# Altium PCB BRG_Chip_Tester.PcbDoc (part 2 of 2)
Units mil, origin at the board's own origin, x right, y up, seen from the top; angles counter-clockwise.
Board outline 4440 x 3080 mil, 4 copper layers (TOP, GND, PWR, BOT), stack 62.731 mil thick; 127 components, 119 nets, 570 pads, 385 vias.
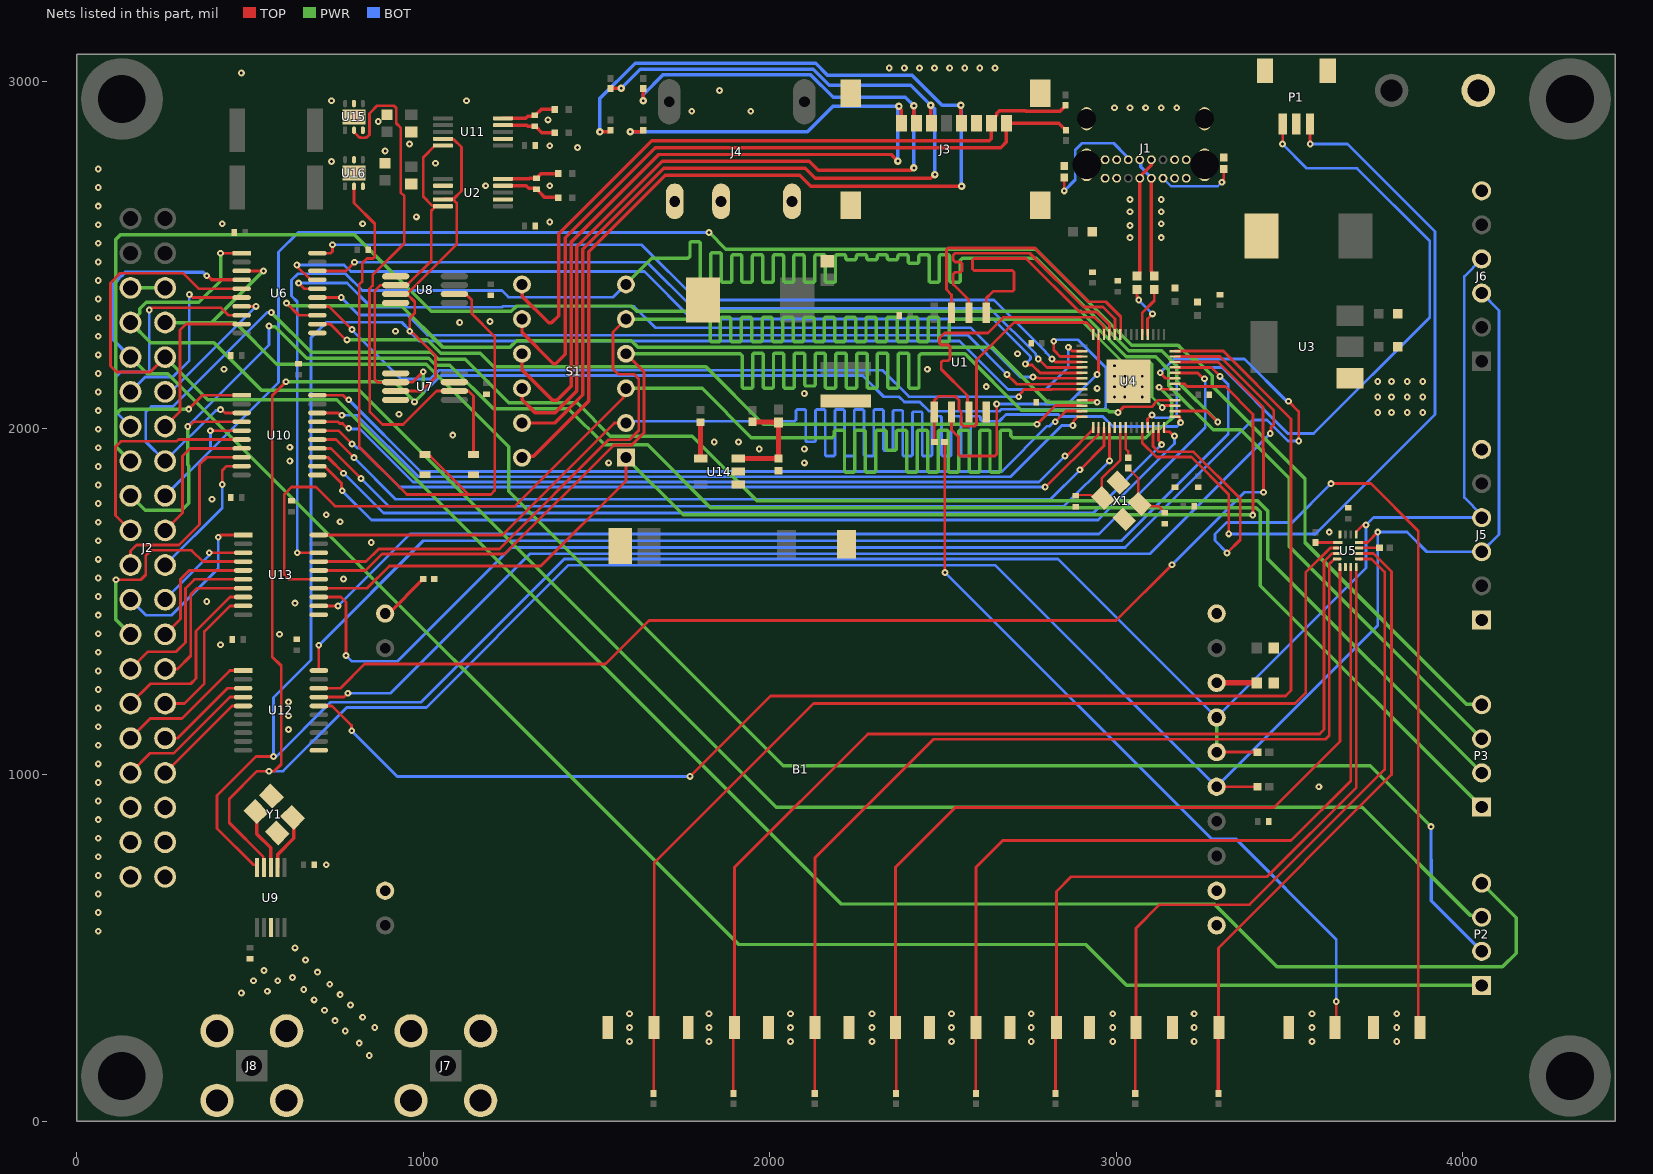
[diagram p4: the nets of this part, all layers, seen from the top]

## Via types
v1: diameter 19.68, hole 7.87, TOP to BOT, 358 vias
v2: diameter 21.65, hole 7.87, TOP to BOT, 27 vias

## Nets (pads, with @x,y where several pads share a name; then routed paths per layer and width w, separated by ;. In a path a pad name is that pad's centre, name@x,y a point inside that pad or via, vN(x,y) a via of type N, cw(c..) or ccw(c..) an arc to the next point about the centre after c; other vN are vias at no path point) (continued)
GND: B1.1 B1.2 B1.10 B1.19 C1.1 C2.1 C3.2 C4.2 C5.1 C6.2 C7.2 C8.1 C9.1 C10.1 C11.1 C12.1 C13.1 C14.1 C15.1 C16.1 C17.1 C18.2 C19.2 C20.2 C22.1 C23.1 C24.2 C25.2 C26.2 C27.2 C28.2 C32.2 C33.2 C34.2 C35.2 C37.2 C38.2 C39.2 C40.2 C42.2 C43.1 C44.2 C45.1 C46.2 C47.2 J1.1 J1.2 J1.3 J1.4 J1.A1 J1.A12 J1.B1 J1.B12 J2.1 J2.2 J2.3 J2.4 J2.5 J2.6 J2.35 J2.36 J3.6 J3.9 J3.10 J3.11 J3.12 J4.B J4.C J5.1 J5.6 J6.6 J7.2 J7.3 J7.4 J7.5 J8.2 J8.3 J8.4 J8.5 J10.1 P1.2 P1.MP1 P1.MP2 R3.1 R4.1 R5.1 R35.1 R36.1 R37.1 SW1.1 SW2.2 SW3.1 SW4.1 SW5.1 SW6.1 SW7.1 SW8.1 SW9.1 SW10.1 U1.4 U2.2 U2.7 U3.1 U4.19 U4.57 U5.6 U5.16 U6.11 U7.1 U7.4 U7.7 U8.1 U8.4 U9.8 U10.11 U11.7 U12.11 U13.11 U14.2 U15.3 U15.5 U15.7 U16.3 U16.5 U16.7 X1.2 X1.4 Y1.2 Y1.4 | length 100
  PWR w10: J2.36@155,2405 J2.35@255,2405
  other v1: 844.26,189.4 815,225 1595,230 1825,230 2060,230 2295,230 2525,230 2755,230 2990,230 3225,230 3565,230 3810,230 775,260 860,270 1595,270 1825,270 2060,270 2295,270 2525,270 2755,270 2990,270 3225,270 3565,270 3810,270 745,290 825,300 1595,310 1825,310 2060,310 2295,310 2525,310 2755,310 2990,310 3225,310 3565,310 3810,310 715,320 790,335 685,350 760,365 475,370 550,375 655,380 730,395 510,405 580,405 622.31,414.52 695,430 540,435 660,465 630,500 62.08,548.24 62.08,601.9 62.08,655.56 62.08,709.22 720,740 62.08,762.88 62.08,816.54 62.08,870.19 62.08,923.85 3585,965 62.08,977.51 62.08,1031.17 62.08,1084.83 610.84,1130 62.08,1138.49 610.84,1170 62.08,1192.15 610.84,1210 62.08,1245.8 62.08,1299.46 62.08,1353.12 415,1375 585,1405 62.08,1406.78 62.08,1460.44 630,1495 375,1500 62.08,1514.1 770,1565 62.08,1567.75 62.08,1621.41 850,1670 62.08,1675.07 3615,1700 62.08,1728.73 760,1730 720,1750 62.08,1782.39 390,1795 62.08,1836.05 62.08,1889.71 1535,1900 2100,1900 615,1905 1970,1940 2100,1940 62.08,1943.36 615,1945 1840,1960 1910,1960 1085,1980 62.08,1997.02 930,2040 3755,2045 3795,2045 3840,2045 3885,2045 62.08,2050.68 2995,2090 3025,2090 3075,2090 3755,2090 3795,2090 3840,2090 3885,2090 2100,2100 62.08,2104.34 2945,2115 2625,2120 2995,2120 3025,2120 3075,2120 3755,2135 3795,2135 3840,2135 3885,2135 2995,2150 3025,2150 3075,2150 62.08,2158 425,2170 2455,2170 2995,2180 62.08,2211.66 2715,2215 62.08,2265.32 920,2280 1105,2305 1192.74,2307.74 62.08,2318.97 62.08,2372.63 62.08,2426.29 62.08,2479.95 62.08,2533.61 3040,2550 3130,2550 3040,2585 62.08,2587.27 420,2590 825,2590 3130,2590 1365,2595 980,2610 3040,2625 3130,2625 62.08,2640.92 3040,2660 3130,2660 62.08,2694.58 1180,2700 1365,2700 62.08,2748.24 1035,2765 735,2770 890,2800 1445,2810 1365,2815 960,2820 870,2885 1360,2890 1775,2915 1945,2915 2995,2925 3040,2925 3085,2925 3130,2925 3175,2925 735,2945 1125,2945 1855,2975 475,3025 2345,3040 2388.57,3040 2432.14,3040 2475.71,3040 2519.29,3040 2562.86,3040 2606.43,3040 2650,3040
GPIO_2/SPI_0_SCK: U4.4 U6.20 | length 2369.8
  TOP w8: U6.20@694.27,2505.16 732.95,2505.16 737.64,2509.84 737.64,2528.96 v1(737.96,2529.28) ; v1(2815,2200) 2823.88,2191.12 U4.4@2901.63,2191.12
  BOT w8: v1(737.96,2529.28) 1630.72,2529.28 1790,2370 2647.06,2370 2796.9,2220.16 2796.9,2218.1 v1(2815,2200)
GPIO_2/SPI_0_SCK_OUT: J2.34 P2.3 U6.1 | length 5068.9
  TOP w8: v1(415,2505) 415.08,2505.08 475.65,2505.08 U6.1@475.73,2505.16
  PWR w10: v1(415,2505) 415,2425.5 352.5,2363 199.91,2363 181.91,2345 181.91,2331.91 J2.34@155,2305 213,2247 396,2247 533,2110 815,2110 2019,906 3710,906 4021.19,594.81 4048.62,594.81 P2.3@4055,588.42
GPIO_3/SPI_0_MOSI: U4.5 U6.18 | length 2347.6
  TOP w8: U6.18@694.27,2453.98 776.48,2453.98 v1(801.6,2479.1) ; v1(2775,2200) 2776.14,2200 2800.77,2175.37 U4.5@2901.63,2175.37
  BOT w8: v1(801.6,2479.1) 1645.9,2479.1 1779.55,2345.45 2636.35,2345.45 2768.1,2213.7 2768.1,2210.06 2775,2203.16 v1(2775,2200)
GPIO_3/SPI_0_MOSI_OUT: J2.33 P2.2 U6.3 | length 5026.4
  TOP w8: U6.3@475.73,2453.98 v1(538.87,2453.98)
  PWR w10: J2.33@255,2305 389.89,2305 ; v1(538.87,2453.98) 389.89,2305 ; v1(3909,850) 3733,1026 2039,1026 1247,1818 1247,1946.83 1008.83,2185 577.37,2185 457.37,2305 389.89,2305
  BOT w8: 3909,754.15 v1(3909,850)
  BOT w10: 3909,754.15 3909,636 P2.2@4055,490
GPIO_4/SPI_0_MISO: U4.6 U6.17 | length 2509.2
  TOP w8: v1(635.16,2471.35) 637.39,2469.11 637.39,2465.29 672.53,2430.16 692.5,2430.16 U6.17@694.27,2428.39 ; v1(2737.83,2185) 2740.06,2182.76 2757.6,2182.76 2780.74,2159.62 U4.6@2901.63,2159.62
  BOT w8: v1(635.16,2471.35) 771.65,2471.35 791,2452 1638,2452 1775,2315 2645,2315 2753.1,2206.9 2753.1,2200.27 v1(2737.83,2185)
GPIO_4/SPI_0_MISO_OUT: J2.32 P2.1 U6.4 | length 5311.5
  TOP w10: v1(375,2440) 378.16,2440 389.78,2428.39 U6.4@475.73,2428.39
  PWR w10: J2.32@155,2205 203,2157 263,2157 1910.28,509.72 2911.78,509.72 3029.93,391.57 P2.1@4055,391.57
  BOT w10: J2.32@155,2205 105,2255 105,2415.1 117.67,2427.77 120.38,2431.33 ; v1(375,2440) 374.3,2440 364.3,2450 139.9,2450 132.23,2442.33 128.67,2439.63 ; 120.38,2431.33 cw(c155,2405) 128.67,2439.63 ; 120.38,2431.33 cw(c155,2405) 128.67,2439.63 ; 120.38,2431.33 cw(c155,2405) 128.67,2439.63 ; 120.38,2431.33 cw(c155,2405) 128.67,2439.63
GPIO_5/SPI_0_CS: U4.7 U6.16 | length 2438
  TOP w8: v1(640.25,2418.75) 656.2,2402.8 U6.16@694.27,2402.8 ; v1(2760,2147.64) 2762.24,2145.4 2773.75,2145.4 2775.28,2143.87 U4.7@2901.63,2143.87
  BOT w8: v1(640.25,2418.75) 780.25,2418.75 849.84,2349.16 1227.75,2349.16 1230.34,2351.75 1608.25,2351.75 1670,2290 2580,2290 2582.34,2287.66 2722.18,2147.82 2759.82,2147.82 v1(2760,2147.64)
GPIO_5/SPI_0_CS_OUT: J2.31 P2.4 U6.5 | length 5720.2
  TOP w8: J2.31@255,2205 212,2162 115,2162 97,2180 97,2419 125.5,2447.5 307,2447.5 351.7,2402.8 U6.5@475.73,2402.8
  PWR w10: J2.31@255,2205 377.44,2082.56 750.5,2082.56 2206.38,626.68 3282.51,626.68 3464.19,445 4115,445 4155,485 4155,586.85 P2.4@4055,686.85
GPIO_6: U4.8 U6.15 | length 2311.6
  TOP w8: U6.15@694.27,2377.2 v1(763.31,2377.2) ; v1(2685,2155) 2713.21,2126.79 2808.15,2126.79 2809.48,2128.13 U4.8@2901.63,2128.13
  BOT w8: v1(763.31,2377.2) 813.73,2326.79 954.05,2326.79 1012.38,2268.46 2571.54,2268.46 v1(2685,2155)
GPIO_6_OUT: J2.30 U6.6 | length 552.5
  TOP w8: v1(324.8,2386) 333.59,2377.2 U6.6@475.73,2377.2
  BOT w8: J2.30@155,2105 197.5,2147.5 277,2147.5 324.8,2195.3 v1(324.8,2386)
GPIO_7: U4.9 U6.14 | length 2348.7
  TOP w8: U6.14@694.27,2351.61 727.54,2351.61 v1(794.16,2285) ; v1(2718.63,2090.94) 2718.63,2094.1 2728.67,2104.14 2728.67,2106.14 2734.33,2111.79 2814.36,2111.79 2814.94,2112.38 U4.9@2901.63,2112.38
  BOT w8: v1(794.16,2285) 794.16,2283.42 935.27,2142.32 935.38,2142.21 1019.99,2142.21 1044.79,2167 2326.14,2167 2402.2,2090.94 v1(2718.63,2090.94)
GPIO_7_OUT: J2.29 U6.7 | length 405.4
  TOP w8: U6.7@475.73,2351.61 v1(517,2351.61)
  BOT w8: J2.29@255,2105 270.39,2105 v1(517,2351.61)
GPIO_8: U4.11 U6.13 | length 2623.4
  TOP w8: v1(605.5,2361) 640.48,2326.02 U6.13@694.27,2326.02 ; U4.11@2901.63,2080.88 2935.96,2080.88 2941.84,2075 v1(2945,2075)
  PWR w10: v1(605.5,2361) 613.5,2353 937,2353 1057,2233 1249.62,2233 1269.36,2252.75 1600.64,2252.75 1620.38,2233 2643.75,2233 2801.75,2075 v1(2945,2075)
GPIO_8_OUT: J2.28 U6.8 | length 717.7
  TOP w8: v1(209,2341) 215.5,2347.5 416.52,2347.5 438,2326.02 U6.8@475.73,2326.02
  BOT w8: J2.28@155,2005 112,2048 112,2147 127.5,2162.5 205,2162.5 209,2166.5 v1(209,2341)
GPIO_9: U4.12 U6.12 | length 2349.3
  TOP w8: U6.12@694.27,2300.43 731.57,2300.43 777,2255 v1(780,2255) ; v1(2771.37,2011.5) 2825,2065.13 U4.12@2901.63,2065.13
  PWR w10: v1(780,2255) 1010.96,2255 1049.96,2216 1164.81,2216 1203.56,2177.25 1546.75,2177.25 1547,2177 1816,2177 1981.5,2011.5 v1(2771.37,2011.5)
GPIO_9_OUT: J2.27 U6.9 | length 481
  TOP w8: J2.27@255,2005 298,2048 298,2283.43 315,2300.43 U6.9@475.73,2300.43
GPIO_10/SPI_1_SCK: U4.13 U10.20 | length 2370.8
  TOP w8: U10.20@694.27,2095.16 768.68,2095.16 781.68,2082.16 v1(784.84,2082.16) ; v1(2824.32,2018.79) 2824.75,2018.79 2855.34,2049.39 U4.13@2901.63,2049.39
  BOT w8: v1(784.84,2082.16) 992,1875 2670,1875 2800.78,2005.78 2808.15,2005.78 2821.16,2018.79 v1(2824.32,2018.79)
GPIO_10/SPI_1_SCK_OUT: J2.26 P3.3 U10.1 | length 5748
  TOP w8: v1(323,2055) 363.16,2095.16 U10.1@475.73,2095.16
  PWR w10: J2.26@155,1905 113,1947 113,2040.5 ; v1(323,2055) 127.5,2055 113,2040.5 ; P3.3@4055,1103.42 3500,1658.42 3500,1855 3360,1995 3280,1995 3151,2124 3151,2169 3114,2206 3029.19,2206 2898.19,2337 1616.38,2337 1600.64,2352.75 1269.36,2352.75 1253.62,2337 1022.82,2337 800.82,2559 127,2559 113,2545 113,2040.5
GPIO_11/SPI_1_MOSI: U4.14 U10.18 | length 2361.8
  TOP w8: U10.18@694.27,2043.98 755.03,2043.98 761.84,2037.17 v1(765,2037.17) ; v1(2875,2007.81) 2877.24,2010.04 2877.24,2020.74 2890.13,2033.64 U4.14@2901.63,2033.64
  BOT w8: v1(765,2037.17) 808.61,2037.17 985.79,1860 2695,1860 2842.81,2007.81 v1(2875,2007.81)
GPIO_11/SPI_1_MOSI_OUT: J2.25 P3.2 U10.3 | length 5057.6
  TOP w8: v1(414.7,2053.52) 417.86,2053.52 427.4,2043.98 U10.3@475.73,2043.98
  PWR w10: v1(561.5,2334) 676.5,2219 1022.92,2219 1042.92,2199 1121,2199 1247,2073 1444,2073 1539.75,1977.25 1776.75,1977.25 1964,1790 3408.52,1790 3438.15,1760.37 3438.15,1621.85 P3.2@4055,1005
  BOT w8: v1(414.7,2053.52) 412.46,2051.28 401.28,2051.28 J2.25@255,1905 199,1961 199,2046.5 215,2062.5 277.5,2062.5 549,2334 v1(561.5,2334)
GPIO_12/SPI_1_MISO: U4.15 U10.17 | length 2379.4
  TOP w8: U10.17@694.27,2018.39 754.31,2018.39 758.77,2013.93 767.38,2013.93 781.31,2000 v1(785,2000) ; v1(2852.55,1920) 2857.27,1920 2933.27,1996 U4.15@2933.27,2002
  BOT w8: v1(785,2000) 787.5,1997.5 817.5,1997.5 970,1845 2777.55,1845 v1(2852.55,1920)
GPIO_12/SPI_1_MISO_OUT: J2.24 P3.1 U10.4 | length 5165.9
  TOP w8: v1(320,2005) 323.16,2005 336.55,2018.39 U10.4@475.73,2018.39
  PWR w10: J2.24@155,1805 197,1763 302.5,1763 323,1783.5 323,1891.44 320,1894.44 v1(320,2005) ; v1(555,2295) 557.24,2292.76 573.26,2292.76 664.02,2202 1015.88,2202 1035.88,2182 1076.73,2182 1202.73,2056 1419,2056 1523.25,1951.75 1568.36,1951.75 1569.36,1952.75 1600.64,1952.75 1601.64,1951.75 1648.25,1951.75 1829.16,1770.84 3403.63,1770.84 3415.84,1758.63 3415.84,1545.73 P3.1@4055,906.57
  BOT w8: v1(320,2005) 555,2240 v1(555,2295)
GPIO_13/SPI_1_CS: U4.16 U10.16 | length 2404.7
  TOP w8: U10.16@694.27,1992.8 755.81,1992.8 v1(794.44,1954.16) ; v1(2795,1830) 2796.32,1830 2948.52,1982.19 2948.52,2001.5 U4.16@2949.02,2002
  BOT w8: v1(794.44,1954.16) 797.61,1954.16 809.74,1942.03 818.86,1942.03 930.89,1830 v1(2795,1830)
GPIO_13/SPI_1_CS_OUT: J2.23 P3.4 U10.5 | length 5172.5
  TOP w8: v1(385.5,1992.8) U10.5@475.73,1992.8
  PWR w10: v1(1825,2565) 1873,2517 2768,2517 3045,2240 3178.35,2240 3220.7,2197.65 3231.24,2197.65 3277.01,2151.88 3277.01,2121.68 3545,1853.7 3545,1670 4012.44,1202.56 4054.29,1202.56 P3.4@4055,1201.85
  BOT w8: J2.23@255,1805 385.5,1935.5 ; v1(385.5,1992.8) 385.5,1935.5 ; v1(1825,2565) 639,2565 582.34,2508.34 582.34,2132.34 385.5,1935.5
GPIO_14: U4.17 U10.15 | length 2458.4
  TOP w8: U10.15@694.27,1967.2 747.8,1967.2 v1(800,1915) ; v1(2895.18,1879.82) 2964.76,1949.41 U4.17@2964.76,2002
  BOT w8: v1(800,1915) 920,1795 2810.35,1795 v1(2895.18,1879.82)
GPIO_14_OUT: J2.22 U10.6 | length 631.6
  TOP w8: J2.22@155,1705 112,1748 112,1946.5 127.5,1962 288,1962 293.2,1967.2 U10.6@475.73,1967.2
GPIO_15: U4.18 U10.14 | length 2505.7
  TOP w8: U10.14@694.27,1941.61 733.39,1941.61 v1(820,1855) ; v1(2980.51,1905.67) U4.18@2980.51,2002
  BOT w8: v1(820,1855) 900,1775 2849.84,1775 v1(2980.51,1905.67)
GPIO_15_OUT: J2.21 U10.7 | length 415.4
  TOP w8: J2.21@255,1705 305,1755 305,1920 326.61,1941.61 U10.7@475.73,1941.61
GPIO_16: U4.27 U10.13 | length 2638.7
  TOP w8: U10.13@694.27,1916.02 724.25,1916.02 v1@771.54,1868.73 ; U4.27@3122.24,2002 3122.24,1964.7 3131.24,1955.71 v1(3131.24,1952.55)
  BOT w8: v1@771.54,1868.73 885.27,1755 2933.69,1755 v1(3131.24,1952.55)
  other v1: 770,1870
GPIO_16_OUT: J2.20 U10.8 | length 574.3
  TOP w8: J2.20@155,1605 155,1645 172.5,1662.5 294.5,1662.5 354,1722 354,1895 375.02,1916.02 U10.8@475.73,1916.02
GPIO_17: U4.28 U10.12 | length 2710.8
  TOP w8: U10.12@694.27,1890.43 714.24,1890.43 763.69,1840.98 763.69,1821.66 v1(765.93,1819.42) ; U4.28@3137.99,2002 3137.99,1990.5 3138.49,1990 3153.05,1990 3165.27,1977.79 v1(3168.43,1977.79)
  BOT w8: v1(765.93,1819.42) 850.35,1735 2948.08,1735 3168.43,1955.35 v1(3168.43,1977.79)
GPIO_17_OUT: J2.19 U10.9 | length 402.5
  TOP w8: v1(419.78,1837.76) 419.78,1878.22 432,1890.43 U10.9@475.73,1890.43
  BOT w8: J2.19@255,1605 419.78,1769.78 v1(419.78,1837.76)
GPIO_18: S1.2A U4.29 U13.20 | length 4845
  TOP w8: U13.20@698.53,1691.77 1228.28,1691.77 1551.5,2015 S1.2A@1585,2015 ; U4.29@3169.63,2033.64 3181.13,2033.64 3184.06,2030.71 3184.06,2017.94 v1(3186,2016)
  BOT w8: S1.2A@1585,2015 1589.94,2019.94 2067.39,2019.94 2071.39,2019.94 2076.07,2024.62 2076.07,2051.2 2078.87,2054 2101.27,2054 2104.07,2051.2 2104.07,1963.64 2106.87,1960.84 2129.27,1960.84 2132.07,1963.64 2132.07,2051.2 2134.87,2054 2157.27,2054 2160.07,2051.2 2160.07,1922.74 2162.87,1919.94 2185.27,1919.94 2188.07,1922.74 2188.07,2051.2 2190.87,2054 2213.27,2054 2216.07,2051.2 2216.07,1922.74 2218.87,1919.94 2241.27,1919.94 2244.07,1922.74 2244.07,2051.2 2246.87,2054 2269.27,2054 2272.07,2051.2 2272.07,1922.74 2274.87,1919.94 2297.27,1919.94 2300.07,1922.74 2300.07,2051.2 2302.87,2054 2325.27,2054 2328.07,2051.2 2328.07,1938.64 2330.87,1935.84 2353.27,1935.84 2356.07,1938.64 2356.07,2048.8 2358.87,2051.6 2381.27,2051.6 2384.07,2048.8 2384.07,1922.74 2386.87,1919.94 2409.27,1919.94 2412.07,1922.74 2412.07,2044.91 2414.87,2047.71 2437.27,2047.71 2440.07,2044.91 2440.07,1922.74 2442.87,1919.94 2465.27,1919.94 2468.07,1922.74 2468.07,2031.36 2470.87,2034.16 2493.27,2034.16 2496.07,2031.36 2496.07,1922.74 2498.87,1919.94 2521.27,1919.94 2524.07,1922.74 2524.07,2031.36 2526.87,2034.16 2549.27,2034.16 2552.07,2031.36 2552.07,1922.74 2554.87,1919.94 2577.27,1919.94 2580.07,1922.74 2580.07,2031.36 2582.87,2034.16 2605.27,2034.16 2608.07,2031.36 2608.07,2024.62 2612.76,2019.94 2631,2019.94 2662.63,2019.94 2682.33,2039.64 2832.95,2039.64 2838.62,2033.97 2961.32,2033.97 2990.3,2005 3175,2005 v1(3186,2016)
GPIO_18_OUT: J2.18 U13.1 | length 492.8
  TOP w8: v1(408,1685) 414.77,1691.77 U13.1@480,1691.77
  BOT w8: J2.18@155,1505 200,1460 273.77,1460 408,1594.23 v1(408,1685)
GPIO_19: S1.6A U4.30 U13.18 | length 5516
  TOP w8: v1(636.18,1640.59) U13.18@698.53,1640.59 ; U4.30@3169.63,2049.39 3260.94,2049.39 3292.16,2018.16 v1(3293.01,2018.16)
  PWR w10: S1.6A@1585,2415 1660,2490 1764,2490 ; 1759,2490 1764,2490 ; v1(3293.01,2018.16) 3175.43,2135.74 3175.43,2179.48 3131.91,2223 3036.23,2223 2769.23,2490 2566.74,2490 2555.72,2490 2549.86,2484.14 2549.86,2423.9 2546.86,2420.9 2522.86,2420.9 2519.86,2423.9 2519.86,2497 2516.86,2500 2492.86,2500 2489.86,2497 2489.86,2423.9 2486.86,2420.9 2462.86,2420.9 2459.86,2423.9 2459.86,2497 2456.86,2500 2432.86,2500 2429.86,2497 2429.86,2479.03 2426.86,2476.03 2402.86,2476.03 2399.86,2479.03 2399.86,2497 2396.86,2500 2372.86,2500 2369.86,2497 2369.86,2489.84 2366.86,2486.84 2342.86,2486.84 2339.86,2489.84 2339.86,2497 2336.86,2500 2312.86,2500 2309.86,2497 2309.86,2489.84 2306.86,2486.84 2282.86,2486.84 2279.86,2489.84 2279.86,2497 2276.86,2500 2252.86,2500 2249.86,2497 2249.86,2489.84 2246.86,2486.84 2222.86,2486.84 2219.86,2489.84 2219.86,2497 2216.86,2500 2192.86,2500 2189.86,2497 2189.86,2423.9 2186.86,2420.9 2162.86,2420.9 2159.86,2423.9 2159.86,2497 2156.86,2500 2132.86,2500 2129.86,2497 2129.86,2423.9 2126.86,2420.9 2102.86,2420.9 2099.86,2423.9 2099.86,2497 2096.86,2500 2072.86,2500 2069.86,2497 2069.86,2423.9 2066.86,2420.9 2042.86,2420.9 2039.86,2423.9 2039.86,2497 2036.86,2500 2012.86,2500 2009.86,2497 2009.86,2423.9 2006.86,2420.9 1982.86,2420.9 1979.86,2423.9 1979.86,2497 1976.86,2500 1952.86,2500 1949.86,2497 1949.86,2423.9 1946.86,2420.9 1922.86,2420.9 1919.86,2423.9 1919.86,2497 1916.86,2500 1892.86,2500 1889.86,2497 1889.86,2423.9 1886.86,2420.9 1862.86,2420.9 1859.86,2423.9 1859.86,2503.1 1856.86,2506.1 1832.86,2506.1 1829.86,2503.1 1829.86,2423.9 1826.86,2420.9 1802.86,2420.9 1799.86,2423.9 1799.86,2535.62 1796.86,2538.62 1772.86,2538.62 1769.86,2535.62 1769.86,2495.86 1764,2490
  BOT w8: v1(636.18,1640.59) 636.18,2365.07 619.41,2381.84 619.41,2427.38 637.88,2445.85 775.65,2445.85 824.09,2397.41 1226.84,2397.41 1246,2378.25 1548.25,2378.25 S1.6A@1585,2415
GPIO_19_OUT: J2.17 U13.3 | length 286.2
  TOP w8: v1(382,1640.59) U13.3@480,1640.59
  BOT w8: J2.17@255,1505 382,1632 v1(382,1640.59)
GPIO_20: S1.5A U4.31 U13.17 | length 4805.7
  TOP w8: U13.17@698.53,1615 834.95,1615 871.45,1651.5 1219.75,1651.5 1535,1966.75 1595.53,1966.75 1622,1993.21 1622,2142.5 1608.5,2156 1562.5,2156 1548,2170.5 1548,2278 S1.5A@1585,2315 ; v1(3133,2059.84) 3136.16,2059.84 3141.45,2065.13 U4.31@3169.63,2065.13
  PWR w8: 2895,2315 3020,2190 3098.47,2190 3103.16,2185.31 3103.16,2089.68 v1(3133,2059.84)
  PWR w10: S1.5A@1585,2315 1787,2315 1822,2315 1827.86,2309.14 1827.86,2253 1830.86,2250 1854.86,2250 1857.86,2253 1857.86,2317 1860.86,2320 1884.86,2320 1887.86,2317 1887.86,2253 1890.86,2250 1914.86,2250 1917.86,2253 1917.86,2317 1920.86,2320 1944.86,2320 1947.86,2317 1947.86,2253 1950.86,2250 1974.86,2250 1977.86,2253 1977.86,2317 1980.86,2320 2004.86,2320 2007.86,2317 2007.86,2253 2010.86,2250 2034.86,2250 2037.86,2253 2037.86,2317 2040.86,2320 2064.86,2320 2067.86,2317 2067.86,2253 2070.86,2250 2094.86,2250 2097.86,2253 2097.86,2317 2100.86,2320 2124.86,2320 2127.86,2317 2127.86,2253 2130.86,2250 2154.86,2250 2157.86,2253 2157.86,2317 2160.86,2320 2184.86,2320 2187.86,2317 2187.86,2253 2190.86,2250 2214.86,2250 2217.86,2253 2217.86,2317 2220.86,2320 2244.86,2320 2247.86,2317 2247.86,2253 2250.86,2250 2274.86,2250 2277.86,2253 2277.86,2317 2280.86,2320 2304.86,2320 2307.86,2317 2307.86,2253 2310.86,2250 2334.86,2250 2337.86,2253 2337.86,2317 2340.86,2320 2364.86,2320 2367.86,2317 2367.86,2253 2370.86,2250 2394.86,2250 2397.86,2253 2397.86,2317 2400.86,2320 2424.86,2320 2427.86,2317 2427.86,2253 2430.86,2250 2454.86,2250 2457.86,2253 2457.86,2317 2460.86,2320 2484.86,2320 2487.86,2317 2487.86,2253 2490.86,2250 2514.86,2250 2517.86,2253 2517.86,2309.14 2523.72,2315 2538.54,2315 2895,2315
GPIO_20_OUT: J2.16 U13.4 | length 623.1
  TOP w8: v1(113,1562.5) 184.5,1562.5 199,1577 199,1632.5 214,1647.5 331.5,1647.5 364,1615 U13.4@480,1615
  PWR w10: v1(113,1562.5) 113,1447 J2.16@155,1405
GPIO_21: S1.4A U4.32 U13.16 | length 4759
  TOP w8: U13.16@698.53,1589.41 833.41,1589.41 880.5,1636.5 1234.75,1636.5 1550,1951.75 1601.75,1951.75 1637,1987 1637,2163 S1.4A@1585,2215 ; v1(3005,2045) 3022,2062 3103.19,2062 3109.63,2068.44 3109.63,2069.63 3120.88,2080.88 U4.32@3169.63,2080.88
  PWR w10: S1.4A@1585,2215 1880,2215 1915,2215 1920.86,2209.14 1920.86,2118 1923.86,2115 1947.86,2115 1950.86,2118 1950.86,2213 1953.86,2216 1977.86,2216 1980.86,2213 1980.86,2118 1983.86,2115 2007.86,2115 2010.86,2118 2010.86,2213 2013.86,2216 2037.86,2216 2040.86,2213 2040.86,2118 2043.86,2115 2067.86,2115 2070.86,2118 2070.86,2213 2073.86,2216 2097.86,2216 2100.86,2213 2100.86,2124.84 2103.86,2121.84 2127.86,2121.84 2130.86,2124.84 2130.86,2213 2133.86,2216 2157.86,2216 2160.86,2213 2160.86,2118 2163.86,2115 2187.86,2115 2190.86,2118 2190.86,2213 2193.86,2216 2217.86,2216 2220.86,2213 2220.86,2118 2223.86,2115 2247.86,2115 2250.86,2118 2250.86,2213 2253.86,2216 2277.86,2216 2280.86,2213 2280.86,2118 2283.86,2115 2307.86,2115 2310.86,2118 2310.86,2213 2313.86,2216 2337.86,2216 2340.86,2213 2340.86,2118 2343.86,2115 2367.86,2115 2370.86,2118 2370.86,2213 2373.86,2216 2397.86,2216 2400.86,2213 2400.86,2118 2403.86,2115 2427.86,2115 2430.86,2118 2430.86,2209.14 2436.72,2215 2478.61,2215 2563.69,2215 2726.51,2052.17 2975.16,2052.17 2980.48,2046.85 3003.15,2046.85 v1(3005,2045)
GPIO_21_OUT: J2.15 U13.5 | length 368.8
  TOP w8: J2.15@255,1405 299,1449 299,1564 324.41,1589.41 U13.5@480,1589.41
GPIO_22: S1.3A U4.34 U13.15 | length 5107.9
  TOP w8: U13.15@698.53,1563.82 612.5,1563.82 599,1577.32 599,1809 620,1830 690,1830 745,1775 1265,1775 1576.68,2086.68 1576.68,2106.68 S1.3A@1585,2115 ; v1(3124,2118.17) 3129.79,2112.38 U4.34@3169.63,2112.38
  PWR w10: S1.3A@1585,2115 1805,2115 1947,1973 2175,1973 2180,1973 2185.86,1978.86 2185.86,1991.5 2188.86,1994.5 2212.86,1994.5 2215.86,1991.5 2215.86,1876 2218.86,1873 2242.86,1873 2245.86,1876 2245.86,1991.5 2248.86,1994.5 2272.86,1994.5 2275.86,1991.5 2275.86,1876 2278.86,1873 2302.86,1873 2305.86,1876 2305.86,1991.5 2308.86,1994.5 2332.86,1994.5 2335.86,1991.5 2335.86,1939.84 2338.86,1936.84 2362.86,1936.84 2365.86,1939.84 2365.86,1991.5 2368.86,1994.5 2392.86,1994.5 2395.86,1991.5 2395.86,1876 2398.86,1873 2422.86,1873 2425.86,1876 2425.86,1991.5 2428.86,1994.5 2452.86,1994.5 2455.86,1991.5 2455.86,1876 2458.86,1873 2482.86,1873 2485.86,1876 2485.86,1991.5 2488.86,1994.5 2512.86,1994.5 2515.86,1991.5 2515.86,1876 2518.86,1873 2542.86,1873 2545.86,1876 2545.86,1991.5 2548.86,1994.5 2572.86,1994.5 2575.86,1991.5 2575.86,1876 2578.86,1873 2602.86,1873 2605.86,1876 2605.86,1991.5 2608.86,1994.5 2632.86,1994.5 2635.86,1991.5 2635.86,1876 2638.86,1873 2662.86,1873 2665.86,1876 2665.86,1991.5 2668.86,1994.5 2692.86,1994.5 2695.86,1991.5 2695.86,1978.86 2701.72,1973 2732.18,1973 3085,1973 3111.29,1999.29 3127.15,1999.89 3156.74,2024.44 3160,2027.7 3160,2082.17 v1(3124,2118.17)
GPIO_22_OUT: J2.14 U13.6 | length 523.5
  TOP w8: J2.14@155,1305 205,1355 287,1355 314,1382 314,1537.82 340,1563.82 U13.6@480,1563.82
GPIO_23: S1.1A U4.35 U13.14 | length 3512.8
  TOP w8: U13.14@698.53,1538.23 838.23,1538.23 902,1602 1339,1602 1585,1848 S1.1A@1585,1915 ; U4.35@3169.63,2128.13 3196.87,2128.13 3205,2120 3315,2120 3395,2040 3395,1750 v1(3394,1749)
  PWR w10: S1.1A@1585,1915 1750,1750 3393,1750 v1(3394,1749)
GPIO_23_OUT: J2.13 U13.7 | length 425.2
  TOP w8: J2.13@255,1305 290.87,1305 329,1343.13 329,1520 347.23,1538.23 U13.7@480,1538.23
GPIO_24: U4.36 U13.13 | length 3923
  TOP w8: U13.13@698.53,1512.64 762.5,1512.64 777,1498.14 v1(777,1344.16) ; v1(3127,2160) 3143.13,2143.87 U4.36@3169.63,2143.87 ; v1(3497.65,2077.65) 3526.83,2048.46 v1(3526.83,1963.17)
  BOT w8: v1(777,1344.16) 794.16,1327 925,1327 1254,1656 3026,1656 3394,2024 3435.06,2024 3495.89,1963.17 v1(3526.83,1963.17) ; v1(3127,2160) 3167,2200 3370,2200 3492.35,2077.65 v1(3497.65,2077.65)
GPIO_24_OUT: J2.12 U13.8 | length 532.8
  TOP w8: J2.12@155,1205 212.5,1262.5 329,1262.5 344,1277.5 344,1414.64 442,1512.64 U13.8@480,1512.64
GPIO_25: U4.37 U13.12 | length 3006
  TOP w8: U13.12@698.53,1487.05 v1(753.89,1487.05) ; U4.37@3169.63,2159.62 3235.42,2159.62 3252.21,2142.83 v1(3255.17,2142.83)
  BOT w8: v1(753.89,1487.05) 961.85,1695 2950,1695 3257.17,2002.17 3257.17,2140.83 v1(3255.17,2142.83)
GPIO_25_OUT: J2.11 U13.9 | length 430
  TOP w8: J2.11@255,1205 310.43,1205 368,1262.57 368,1413.05 442,1487.05 U13.9@480,1487.05
GPIO_26: U4.38 U12.20 | length 3268
  TOP w8: U12.20@698.53,1300.59 v1(698.53,1373.53) ; U4.38@3169.63,2175.37 3274.63,2175.37 3299.84,2150.16 v1(3299.84,2149.57)
  BOT w8: v1(698.53,1373.53) 1000,1675 3015,1675 3323.43,1983.43 3323.43,2126.57 3300.43,2149.57 v1(3299.84,2149.57)
GPIO_26_OUT: J2.10 U12.1 | length 406
  TOP w8: J2.10@155,1105 212,1162 303.05,1162 441.64,1300.59 U12.1@480,1300.59
GPIO_27: U4.39 U12.18 | length 3515.4
  TOP w8: U12.18@698.53,1249.41 761,1249.41 830.59,1319 1526,1319 1652,1445 3000,1445 v1(3161,1606) ; U4.39@3169.63,2191.12 3293.88,2191.12 3423.95,2061.05 3423.95,1941.25 3425,1940.2 v1(3425,1815)
  BOT w8: v1(3161,1606) 3370,1815 v1(3425,1815)
GPIO_27_OUT: J2.9 U12.3 | length 284.8
  TOP w8: J2.9@255,1105 290.3,1105 434.71,1249.41 U12.3@480,1249.41
GPIO_28: U4.40 U12.17 | length 3482
  TOP w8: U12.17@698.53,1223.82 771.18,1223.82 v1(782.36,1235) ; U4.40@3169.63,2206.87 3299.35,2206.87 3455,2051.21 3455,2010.64 3447.03,2002.66 3447.03,1987.03 v1(3444.79,1984.79)
  BOT w8: v1(782.36,1235) 905,1235 1307.54,1637.54 3097.54,1637.54 v1(3444.79,1984.79)
GPIO_28_OUT: J2.8 U12.4 | length 415.6
  TOP w8: J2.8@155,1005 212,1062 280,1062 441.82,1223.82 U12.4@480,1223.82
GPIO_29: U4.41 U12.16 | length 4202.5
  TOP w8: U12.16@698.53,1198.23 736.77,1198.23 792.68,1142.32 792.68,1127.32 v1(793.32,1126.68) ; v1(1770,995) 2002,1227 3489.17,1227 3505,1242.83 3505,2026.69 3309.07,2222.61 U4.41@3169.63,2222.61
  BOT w8: v1(793.32,1126.68) 925,995 v1(1770,995)
GPIO_29_OUT: J2.7 U12.5 | length 305
  TOP w8: J2.7@255,1005 448.23,1198.23 U12.5@480,1198.23
I2C_0_SCL: B1.5 J5.3 J6.3 R7.1 U2.5 U4.3 U5.12 U7.2 U8.2 U9.4 U11.5 | length 11042.1
  TOP w8: U9.4@540.32,731.61 538.41,733.52 538.41,762.85 440,861.26 440,930 520,1010 570,1010 590,1030 590,1314.22 564.16,1340.06 564.16,2094.16 v1(604,2134) ; v1(999.89,2163.05) 969.64,2132.8 U7.2@920.35,2132.8 867.2,2132.8 860,2140 860,2396.13 876.67,2412.8 953.36,2412.8 1022.96,2482.39 1022.96,2627.51 1032.22,2636.78 1032.22,2638.72 U2.5@1034.13,2640.63 ; U2.5@1056.77,2640.63 1054.86,2642.54 1025.68,2642.54 1000,2668.22 1000,2781.5 1034.13,2815.63 U11.5@1056.77,2815.63 ; v1(2820,2251) 2820,2224.87 2838,2206.87 U4.3@2901.63,2206.87 ; B1.5@3290,965 R7.1@3410.24,965 ; U5.12@3701.02,1670 3725,1670 v1(3755,1700)
  PWR w10: v1(604,2134) 917,2134 v1(975,2076) 1000,2101 1000,2162.94 v1(999.89,2163.05)
  BOT w8: v1(555,1010) 595,1010 779,1194 1009,1194 1419.6,1604.6 2650.4,1604.6 B1.5@3290,965 3755,1430 v1(3755,1700) 3840,1700 3896.57,1643.43 J5.3@4055,1643.43 4105,1693.43 4105,2340 J6.3@4055.08,2389.92 ; v1(975,2076) 1051,2152 2268,2152 2329.16,2090.84 2373.66,2090.84 2388.56,2075.94 2433.06,2075.94 2459.84,2049.16 2663.63,2049.16 2669.11,2054.64 2839.17,2054.64 2839.65,2054.16 2964.83,2054.16 2970,2059.32 2970,2175.33 2890,2255.33 2824.33,2255.33 v1(2820,2251)
I2C_0_SDA: B1.6 B1.7 J5.4 J6.4 R6.1 U2.4 U4.2 U5.13 U7.3 U8.3 U9.5 U11.4 | length 10415.9
  TOP w8: U9.5@520.63,731.61 520.63,738.09 518.72,740 510,740 405,845 405,940 517.24,1052.24 v1(567.76,1052.24) ; U7.3@920.35,2107.2 995.03,2107.2 1035,2147.17 1035,2210 962.09,2282.91 960.78,2282.91 960.78,2317.4 975.47,2332.09 975.47,2365.1 953.36,2387.2 1096.31,2530.16 1096.31,2649.95 1087.85,2658.41 ; U11.4@1054.86,2833.41 U11.4@1056.77,2835.32 1058.67,2833.41 1087.85,2833.41 1110,2811.26 1110,2684.37 1087.85,2662.22 1058.67,2662.22 U2.4@1056.77,2660.32 ; v1(2862,2233.5) 2872.89,2222.61 U4.2@2901.63,2222.61 ; B1.6@3290,1065 R6.1@3410.24,1065 ; U5.13@3693.15,1693.62 3693.15,1701.37 3712.12,1720.34 v1(3721.16,1720.34)
  PWR w10: B1.6@3290,1065 B1.7@3290,1165
  BOT w8: v1(567.76,1052.24) 567.76,1222.76 676,1331 676,2261 720.84,2305.84 937.86,2305.84 960.78,2282.91 v1(960.78,2279.75) 988.54,2252 1043.54,2252 1527.54,2252 2548,2252 2688.22,2111.78 2796.78,2111.78 2862,2177 v1(2862,2233.5) ; v1@575,1052.24 576.02,1052.24 732.79,1209 993.45,1209 1406.99,1622.54 2832.46,1622.54 B1.7@3290,1165 3721.16,1596.16 v1(3721.16,1720.34) 3742.66,1741.85 4055,1741.85 4055,1750 4005,1800 4005,2438.42 J6.4@4055,2488.42
NetB1_8: B1.8 C6.1 | length 112.4
  TOP w15: B1.8@3290,1265 C6.1@3402.44,1265
NetB1_11: B1.11 R3.2 | length 151.4
  TOP w10: B1.11@890,1465 900,1465 R3.2@1000,1565
NetC5_2: C5.2 R1.1 X1.3 | length 199.2
  TOP w7: R1.1@3035,1885.24 3035,1884.25 3063.72,1855.53 3063.72,1785.82 X1.3@3067.89,1781.65 3093.57,1781.65 3100.22,1775 3122.8,1775 3132.23,1765.57 3132.23,1765.49 3139.92,1757.8 C5.2@3140,1757.8
NetC21_1: C21.1 R20.2 U2.10 | length 166.3
  TOP w10: U2.10@1230.68,2720.06 U2.10@1229.99,2719.37 1304.37,2719.37 1306.62,2721.62 C21.1@1326.84,2721.62 ; C21.1@1328.81,2721.62 1331.69,2724.5 1331.69,2726.46 1339.73,2734.51 R20.2@1389.82,2734.51
NetC21_2: C21.2 R28.2 U2.9 | length 173.4
  TOP w10: U2.9@1229.99,2699.69 1297.6,2699.68 1304.28,2693 1323.97,2693 C21.2@1326.84,2690.13 ; C21.2@1328.81,2690.13 1331.69,2687.25 1331.69,2685.28 1350.96,2666.01 1388.81,2666.01 R28.2@1389.82,2665
NetC36_1: C36.1 R29.2 U11.10 | length 160.4
  TOP w10: U11.10@1229.99,2894.37 1295.19,2894.37 1301.03,2900.21 1318.97,2900.21 1324.72,2905.96 1326.68,2905.96 1340.73,2920 R29.2@1379.82,2920
NetC36_2: C36.2 R31.2 U11.9 | length 156.9
  TOP w10: U11.9@1229.99,2874.69 1299.06,2874.68 1302.16,2871.59 C36.2@1321.84,2871.59 ; C36.2@1323.81,2871.59 1342.49,2852.9 R31.2@1379.82,2852.9
NetC41_1: C41.1 R33.1 R35.2 U14.3 | length 295.4
  TOP w15: U14.3@1909.13,1912.4 2024.6,1912.4 R35.2@2025,1912.8 C41.1@2025,2016.16 2024.02,2017.14 2012.77,2017.14 2012.77,2017.5 2012.14,2018.13 R33.1@1950,2018.13
NetD1_2: D1.2 J4.A
NetD2_2: D2.2 J1.A4 J1.A9 J1.B4 J1.B9
NetD3_1: D3.1 L1.2 U14.1
NetJ1_A5: J1.A5 R4.2 | length 224.7
  TOP w7: v1(3305,2710) 3305,2713.97 3310,2718.97 R4.2@3310,2748.27
  BOT w7: J1.A5@3135.2,2721.54 3158.49,2698.24 3293.24,2698.24 v1(3305,2710)
NetJ1_B5: J1.B5 R5.2 | length 353.6
  TOP w8: v1(2850,2685) R5.2@2850,2723.27
  BOT w8: v1(2850,2685) 2882.01,2717.01 2882.01,2803.2 2901.17,2822.36 2992.97,2822.36 3029.13,2786.2 3029.13,2780.35 J1.B5@3034.8,2774.69
NetR2_1: R2.1 SW1.2 | length 2200.7
  TOP w8: R2.1@2504.76,1960 2505.31,1959.45 2505.31,1584.3 v1(2505.86,1583.75) ; SW1.2@3631.93,270 3635,273.07 v1(3635,345)
  BOT w8: v1(2505.86,1583.75) 3274.61,815 3345,815 3635,525 v1(3635,345)
NetR8_1: R8.1 U4.47 | length 144.8
  TOP w8: U4.47@3075,2270 3075,2333 3110,2368 R8.1@3110,2400.32
NetR9_1: R9.1 U4.46 | length 154.9
  TOP w8: R9.1@3060,2400.32 3060,2378.16 3065,2373.16 v1(3065,2370) ; U4.46@3090.75,2270 3090.75,2315.75 v1(3105,2330)
  BOT w8: v1(3065,2370) v1(3105,2330)
NetR10_1: R10.1 SW3.2 U5.2 | length 3217.1
  TOP w8: R10.1@1665,79.76 SW3.2@1665,270 ; SW3.2@1666.37,270 1666.37,745.37 2126,1205 3516,1205 3547,1236 3547,1583.21 3618.04,1654.25 U5.2@3638.03,1654.25
NetR11_1: R11.1 SW4.2 U5.3 | length 3048.1
  TOP w8: R11.1@1895,79.76 SW4.2@1895,266.4 ; SW4.2@1898.6,270 1898.6,732.72 2283.2,1117.32 3587.32,1117.32 3599.99,1129.99 3599.99,1614.99 3623.5,1638.5 U5.3@3638.03,1638.5
NetR12_1: R12.1 SW5.2 U5.4 | length 2825.8
  TOP w8: R12.1@2130,79.76 SW5.2@2130,269.18 ; SW5.2@2130.82,270 2130.82,760 2473.14,1102.32 3604.32,1102.32 3614.99,1112.99 3614.99,1607.47 U5.4@3630.22,1622.69
NetR13_1: R13.1 SW6.2 U5.5 | length 2587.5
  TOP w8: SW6.2@2363.04,270 2363.04,732.72 2535.64,905.32 3455.32,905.32 3645.91,1095.91 U5.5@3645.91,1599.13 ; R13.1@2365,79.76 SW6.2@2365,268.04
NetR14_1: R14.1 SW7.2 U5.7 | length 2455
  TOP w8: R14.1@2595,79.76 SW7.2@2595,269.74 ; SW7.2@2595.26,270 2595.26,732.72 2672.55,810 3505,810 3677.4,982.4 U5.7@3677.4,1599.13
NetR15_1: R15.1 SW8.2 U5.8 | length 2206.6
  TOP w8: R15.1@2825,79.76 SW8.2@2825,267.52 ; SW8.2@2827.48,270 2827.48,662.8 2870,705.32 3435.32,705.32 3693.15,963.15 U5.8@3693.15,1599.13
NetR16_1: R16.1 SW9.2 U5.9 | length 2045.1
  TOP w8: R16.1@3055,79.76 3055,268.07 SW9.2@3056.93,270 3056.93,556.61 3125,624.68 3384.68,624.68 3775,1015 3775,1584.77 3737.01,1622.76 U5.9@3701.02,1622.76
NetR17_1: R17.1 SW10.2 U5.10 | length 1829.1
  TOP w8: SW10.2@3295,268.07 3295,500 3795,1000 3795,1585.98 3742.48,1638.5 U5.10@3701.02,1638.5
  TOP w10: R17.1@3295,79.76 SW10.2@3295,268.07
NetR18_2: R18.2 U5.1 | length 65.1
  TOP w8: R18.2@3575,1670.24 3639.76,1670.24 U5.1@3640,1670
NetR19_1: R19.1 U5.11 | length 59.5
  TOP w7: U5.11@3701.02,1654.25 3708.9,1654.25 3709.65,1655 R19.1@3760.24,1655
NetR32_1: R32.1 U14.4 | length 105.2
  TOP w15: R32.1@1800,2017.2 1800,1913.27 U14.4@1800.87,1912.4
NetR36_2: R36.2 U7.6 U15.2 | length 1667.8
  TOP w8: U15.2@800,2860 801.15,2858.85 801.15,2853.66 814.81,2840 816.7,2840 818.65,2838.05 832.53,2838.05 834.48,2840 837.31,2840 844.46,2847.15 844.46,2908.63 866.44,2930.61 915.54,2930.61 921.99,2924.17 921.99,2880.29 934.78,2867.5 934.78,2680.22 945.33,2669.67 945.33,2533.83 854,2442.5 854,2411.34 845,2402.34 845,2131.27 845.29,2130.98 845.29,2047.71 882,2011 942,2011 1038.2,2107.2 1130.3,2107.2 1145,2092.5 R36.2@1145,1924.53
NetR37_2: R37.2 U8.6 U16.2 | length 2066.3
  TOP w8: U16.2@800,2697.99 800,2650 860,2590 860,2495 855,2490 837.5,2490 824,2476.5 824,2423.77 815,2414.77 815,2118.84 815.29,2118.56 815.29,1946.24 952.53,1809 1131,1809 ; R37.2@1005,1924.53 1010.84,1918.69 1021.31,1918.69 1131,1809 ; U8.6@1089.65,2387.2 1122.65,2387.2 1140.02,2369.84 1140.02,2330.98 1206,2265 1206,1820 1195,1809 1131,1809
NetU9_2: U9.2 Y1.1 | length 166
  TOP w10: U9.2@579.69,731.61 580.59,732.52 580.59,770.59 626.54,816.54 626.54,834.29 625.68,835.16 625.68,873.86 Y1.1@622.89,876.65
NetU9_3: U9.3 Y1.3 | length 179.5
  TOP w10: Y1.3@517.11,893.35 519.89,890.57 519.89,828.8 560,788.69 U9.3@560,731.61
QSPI_SCLK: U1.6 U4.52 | length 816.8
  TOP w8: U1.6@2575,2333.5 2574.69,2333.81 2574.69,2370 2530,2414.69 2530,2445.31 2534.69,2450 2550.31,2450 2555,2454.69 2555,2475.31 2550.31,2480 2534.69,2480 2530,2484.69 2530,2500.31 2534.69,2505 2750.65,2505 2905.65,2350 2962,2350 2996.26,2315.74 U4.52@2996.26,2270
QSPI_SD0: U1.5 U4.53 | length 840.6
  TOP w8: U1.5@2625,2333.5 2620.81,2337.69 2625,2341.87 2625,2375 2645,2395 2700.31,2395 2705,2399.69 2705,2450.31 2700.31,2455 2589.69,2455 2585,2459.69 2585,2485.31 2589.69,2490 2740,2490 2895,2335 2943.98,2335 2980.51,2298.47 U4.53@2980.51,2270
QSPI_SD1: U1.2 U4.55 | length 831.4
  TOP w8: U1.2@2525,2046.5 2525,1995 2545,1975 2545,1924.69 2549.69,1920 2650.31,1920 2655,1924.69 v1(2655,2070) ; v1(2945,2155) 2945,2158.16 2949.09,2162.25 2949.09,2269.93 U4.55@2949.02,2270
  BOT w8: v1(2655,2070) 2860.29,2070 2945,2154.71 v1(2945,2155)
QSPI_SD2: U1.3 U4.54 | length 824.5
  TOP w8: U1.3@2575,2046.5 2571.19,2050.31 2571.19,2093.81 2495,2170 2495,2190.31 2499.69,2195 2515.31,2195 2520,2199.69 2520,2235.31 2515.31,2240 2494.69,2240 2490,2244.69 2490,2260 2505,2275 2630,2275 2675,2320 2937.76,2320 2964.76,2293 U4.54@2964.76,2270
QSPI_SD3: U1.7 U4.51 | length 827.6
  TOP w8: U1.7@2525,2333.5 2525,2385 2510,2400 2510,2515.31 2514.69,2520 2765,2520 2920,2365 2970,2365 3013.26,2321.74 3013.26,2282.75 3012.01,2281.5 U4.51@3012.01,2270
QSPI_SS: R2.2 U1.1 U4.56 | length 912
  TOP w8: R2.2@2475.24,1960 2475.12,1960.12 U1.1@2475,2046.5 2475,2079.5 2487.5,2092 2535.56,2092 2546.5,2081.06 2546.5,2053.79 2553,2047.29 2553,2011.69 2559.19,2005.5 2590.81,2005.5 2597,2011.69 2597,2197 2705,2305 2914,2305 2933.27,2285.73 U4.56@2933.27,2270
RUN: SW2.1 U4.26 | length 2750.5
  TOP w8: U4.26@3106.5,2002 3106.5,1947.81 3122.6,1931.7 3223.3,1931.7 3358,1797 3358,1678 v1(3320,1640) ; v1(3620,1840) 3735,1840 3871.83,1703.17 3871.83,295.89 3880,287.72 SW2.1@3880,270
  BOT w8: v1(3320,1640) 3320,1640.6 3285,1675.6 3285,1695 3318.16,1728.16 3508.16,1728.16 v1(3620,1840)
SD_CLK: J3.5 R26.1 S1.1B | length 3423.8
  TOP w10: S1.1B@1285,1915 1289.06,1919.06 1318.06,1919.06 1477.5,2078.5 1477.5,2509.47 1698.03,2730 2086.75,2730 2118.75,2698 v2(2553.83,2698) ; v2(1510,2855) 1534.76,2855 1535.16,2855.39 1536.14,2855.39 1540,2859.25 R26.1@1540,2860.24 ; v2(2552,2932) 2552,2881.39 J3.5@2553.39,2880
  BOT w10: v2(1510,2855) 1510,2952.28 1611.29,3053.57 2132.47,3053.57 2167.88,3018.16 2411.12,3018.16 2497.28,2932 v2(2552,2932) 2552.92,2931.08 2552.92,2698.92 v2(2553.83,2698)
SD_CMD: J3.3 R25.1 S1.2B | length 3009.8
  TOP w10: S1.2B@1285,2015 1285,2014 1286,2015 1379,2015 1460.5,2096.5 1460.5,2516.51 1693.99,2750 2102,2750 2131,2721 2465.32,2721 2476.32,2732 v2(2477,2732) ; R25.1@1540,2980.24 1540.49,2980.73 1570.73,2980.73 v2(1571.22,2981.23) ; v2(2465,2932) 2465,2881.77 J3.3@2466.77,2880
  BOT w10: v2(1571.22,2981.23) 1626.57,3036.57 2125.43,3036.57 2171.84,2990.16 2406.84,2990.16 v2(2465,2932) 2477,2920 v2(2477,2732)
SD_DAT0: J3.7 R21.1 S1.6B | length 2067.6
  TOP w10: S1.6B@1285,2415 1285.89,2414.11 1285.89,2380.11 1361.86,2304.14 1370.14,2304.14 1391,2325 1391,2561 1660,2830 2634.14,2830 2640,2835.86 J3.7@2640,2880 2640,2887.87 2655.56,2903.43 2655.56,2908.59 2662.59,2915.62 2738.63,2915.62 2739.01,2915.24 2837.99,2915.24 2854,2931.25 R21.1@2854,2932.24
SD_DAT1: J3.8 R22.1 S1.5B | length 2170.1
  TOP w10: S1.5B@1285,2315 1285,2277 1375.69,2186.31 1382.31,2186.31 1409.5,2213.5 1409.5,2549.5 1670,2810 2667,2810 2683.31,2826.31 J3.8@2683.31,2880 2834.76,2880 2850.16,2864.61 2851.14,2864.61 2855,2860.75 R22.1@2855,2859.76
SD_DAT2: J3.1 R23.1 S1.4B | length 2770.6
  TOP w10: S1.4B@1285,2215 1285,2168.38 1373.38,2080 1385,2080 1426.5,2121.5 1426.5,2536.5 1680,2790 2351,2790 v2(2370,2771) ; v2(1597.49,2855.41) 1631.14,2855.41 1635,2859.27 R23.1@1635,2860.24 ; v2(2373,2929) 2373,2925.85 2380.16,2918.69 J3.1@2380.16,2880
  BOT w10: v2(1597.49,2855.41) 2108.94,2855.41 2182.53,2929 v2(2373,2929) 2370,2926 v2(2370,2771)
SD_DAT3: J3.2 R24.1 S1.3B | length 2864.9
  TOP w10: S1.3B@1285,2115 1286.06,2113.94 1286.06,2081.94 1324,2044 1380,2044 1443.5,2107.5 1443.5,2523.55 1689.95,2770 2114,2770 2140,2744 2409,2744 v2(2416.31,2751.31) ; v2(1635,2945) R24.1@1635,2980.24 ; v2(2416.31,2930.33) 2416.31,2887.15 J3.2@2423.46,2880
  BOT w10: v2(1635,2945) 1635,2962.96 1691.61,3019.57 2118.39,3019.57 2182.96,2955 2391.64,2955 v2(2416.31,2930.33) v2(2416.31,2751.31)
SWCLK: P1.1 U4.24 | length 2258.6
  TOP w8: U4.24@3075,2002 3075,1958.09 3116.39,1916.7 3217.08,1916.7 3325,1808.79 v1(3325,1695) ; P1.1@3559.37,2878.54 3559.69,2878.23 3559.69,2820.32 v1(3560,2820)
  BOT w8: v1(3325,1695) 3575.52,1695 3920,2039.48 3920,2567.43 3667.43,2820 v1(3560,2820)
SWDIO: P1.3 U4.25 | length 2020.5
  TOP w8: U4.25@3090.75,2002 3090.75,2026.5 3102.25,2038 v1(3103.25,2038) ; v1(3480,2820) 3480.63,2820.63 P1.3@3480.63,2878.54
  BOT w8: v1(3103.25,2038) 3105.78,2038 3113.78,2030 3165,2030 3175,2040 3175,2170.31 3179.69,2175 3305.28,2175 3495.28,1985 3570,1985 3905,2320 3905,2540 3695,2750 3550,2750 v1(3480,2820)
USB_D+: J1.A6 J1.B6 R8.2 | length 352.3
  TOP w10: J1.A6@3101.73,2721.54 3101.73,2453.34 3102.2,2452.87 3102.2,2447.48 R8.2@3110,2439.69
  BOT w10: J1.B6@3068.27,2774.69 3070.37,2772.58 3070.37,2754.5 3101.73,2723.14 J1.A6@3101.73,2721.54
USB_D-: J1.A7 J1.B7 R9.2 | length 352.3
  TOP w10: R9.2@3060,2439.69 3067.8,2447.48 3067.8,2452.87 3068.27,2453.34 3068.27,2725.75 3101.73,2759.22 J1.B7@3101.73,2774.69
XIN: C1.2 U4.20 X1.1 | length 316.4
  TOP w7: C1.2@2883.27,1807.1 2927.69,1807.1 2951.43,1783.35 X1.1@2962.11,1783.35 ; X1.1@2962.11,1798.35 2957.93,1802.53 2957.93,1854.32 3012.01,1908.4 U4.20@3012.01,2002
XOUT: R1.2 U4.21 | length 90.2
  TOP w7: U4.21@3027.76,2002 3027.76,1940.34 3035,1933.1 R1.2@3035,1914.76
pads on no net: J1.A8 J1.B8 J4.SH1 J4.SH2 J5.2 J6.2 U2.3 U9.6 U11.3 U12.6 U12.7 U12.8 U12.9 U12.12 U12.13 U12.14 U12.15

## Polygon pours and split planes (outlines as drawn)
+3V3 on PWR "PWR-+3V3" (solid, pour order 34): 0,0 4440,0 4440,3080 0,3080
GND on BOT "GND_L04_P030" (solid, pour order 30): 0,0 4442.61,0 4442.61,3076.22 0,3076.22
GND on GND "GND_L02_P010" (solid, pour order 10): 0,0 0,3080 4440,3080 4440,0
GND on TOP "GND_L01_P000" (solid, pour order 0): -2.28,2.08 4440.34,2.08 4440.34,3078.3 -2.28,3078.3

## Other copper
TOP:
  region net +3V3: 3775,2190 3775,2280 3475,2280 3475,2380 3335,2380 3120,2286.92 3120,2235 3325,2235 3420,2140 3475,2140 3475,2190
  region net +5V: 3535,2292.5 3775,2292.5 3775,2637.5 3535,2637.5
  region net +5V: 2200,2425 2200,2500 2410,2500 2410,2425
  region net +VCORE: 290,2565 290,2870 119.93,2785 119.93,2565
  region net +VIO/CLK: 375,2540 115.41,2540 115.41,2469.93 375,2469.93
  region net +VIO/CLK: 395,2470 395,2729.59 315,2729.59 315,2470
  region net +12V: 2110,1550 2110,1725 1610,1725 1610,1550
  region net +VCORE_RAW: 660,2790 720,2790 780,2850 780,2869.85 762.61,2869.85 702.46,2930 660,2930
  region net +5V: 1835,1820 1835,1870 1755,1870 1755,2045 1845,2045 1950,2150 2315,2150 2315,2450 2030,2450 2030,2255 1750,2255 1750,2175 1680,2105 1680,1820
  region net +3V3: 3682.04,1684.7 3682.04,1708.07 3682.04,1750 3660,1750 3660,1684.7
  region net +VIO/CLK: 490,2625 490,2770 315,2770 315,2625 355,2625
  region net +VCORE: 490,2790 490,2935 360,2935 131.05,2790
  region net NetD2_2: 3015,2700 3015,2800 3025,2810 3145,2810 3155,2800 3155,2625 3295,2485 3485,2485 3485,2630 3255,2630 3180,2705 3180,2835 2990,2835 2990,2700
  region net +VIO/CLK_RAW: 660,2630 725,2630 780,2630 780,2704.85 762.61,2704.85 702.46,2765 660,2765
  region net NetD1_2: 1800,2305 1800,2705 1690,2705 1690,2305
  region net NetD3_1: 2310,1550 2125,1550 2125,1740 1880,1740 1880,1855 2310,1855
  region net NetD3_1: 2310,1827.5 2130,1827.5 2130,2092.5 2310,2092.5
PWR:
  region net GND: 2914.33,2808 3255.53,2808 3255.53,2796 2914.47,2796
  region net GND: 2914.8,2754 3256,2754 3256,2742 2914.94,2742
  pour cut-out: 2894,2810 2894,2690 3276,2690 3276,2810
  region net GND: 3125,2310 3125,2409 3145,2409 3145,2310
  region net GND: 3145,2389.5 3018,2389.5 3018,2699 3145,2699
  region net GND: 3047,2355 3047,2409 3018,2409 3018,2355
  region net GND: 3018,2370 3040,2370 3082.5,2327.5 3082.5,2310 3018,2310
  region net GND: 3085,2351 3130,2351 3130,2380 3130,2409 3085,2409
  region net GND: 3145,2258 3054.6,2258 3018,2294.6 3018,2310 3145,2310
  region net GND: 3090,2370 3060,2340 3060,2327.5 3082.5,2327.5 3082.5,2338 3105,2360
  pour cut-out: 3015,2285 3050,2250 3149.42,2250 3150,2250.58 3150,2810 3015,2810
BOT:
  region net +5V: 3535,2430 3535,2290 3775,2290 3775,2430
  region net +5V: 2315,2440 2315,2385 2200,2385 2200,2440
  region net +5V: 3775,2420 3775,2520 2140,2520 2140,2420

## Silkscreen, mask and mechanical layers (free items; w line width, h text height)
Top Overlay:
  drawing of 16 lines, arcs and shapes, not listed
  text "GND" at 3965,2815 h60
  text "+5V" at 3680,2810 h60
  text "DEBUG" at 3395,2740 h50
  text "TEMP 1" at 3875,2595 h60 r270
  text "+5V IN" at 1745,2515 h50
  text "TEMP 0" at 3875,1845 h60 r270
  text "SD EN" at 1310,1760 h50
  text "v1.0" at 2333.39,1675 h80
  text "SPI 1" at 3875,1190 h60 r270
  text "BRG Chip Tester" at 3785,982.61 h60 r90
  text "SPI 0" at 3870,690 h60 r270
  text "TC" at 90,405 h60
  text "Designed by Parker Schless - 2025" at 815,385 h50
  text "BOOTSEL" at 3415,150 h30
  text "RESET" at 3740,150 h30
  text "6" at 2725,125 h60
  text "5" at 2495,120 h60
  text "7" at 2965,120 h60
  text "8" at 3200,120 h60
  text "2" at 1800,115 h60
  text "3" at 2030,115 h60
  text "4" at 2265,115 h60
  text "1" at 1585,110 h60
  text "CLK 1" at 750,5 h60 r90
  text "CLK 0" at 1310,5 h60 r90
Mechanical 20:
  the board outline again, w10

## Text inside footprints (layer, text, board x,y; h text height)
U1: Top Overlay "*" at 2459,2024 h50 r90; Top 3D Body "*" at 2498,2087.5 h50 r90
U4: Top Overlay "*" at 2848.13,2221.24 h50; Top 3D Body "*" at 2905.13,2221.24 h50